# KiCad board VME_Backplane_3ActPas.kicad_pcb (continued)
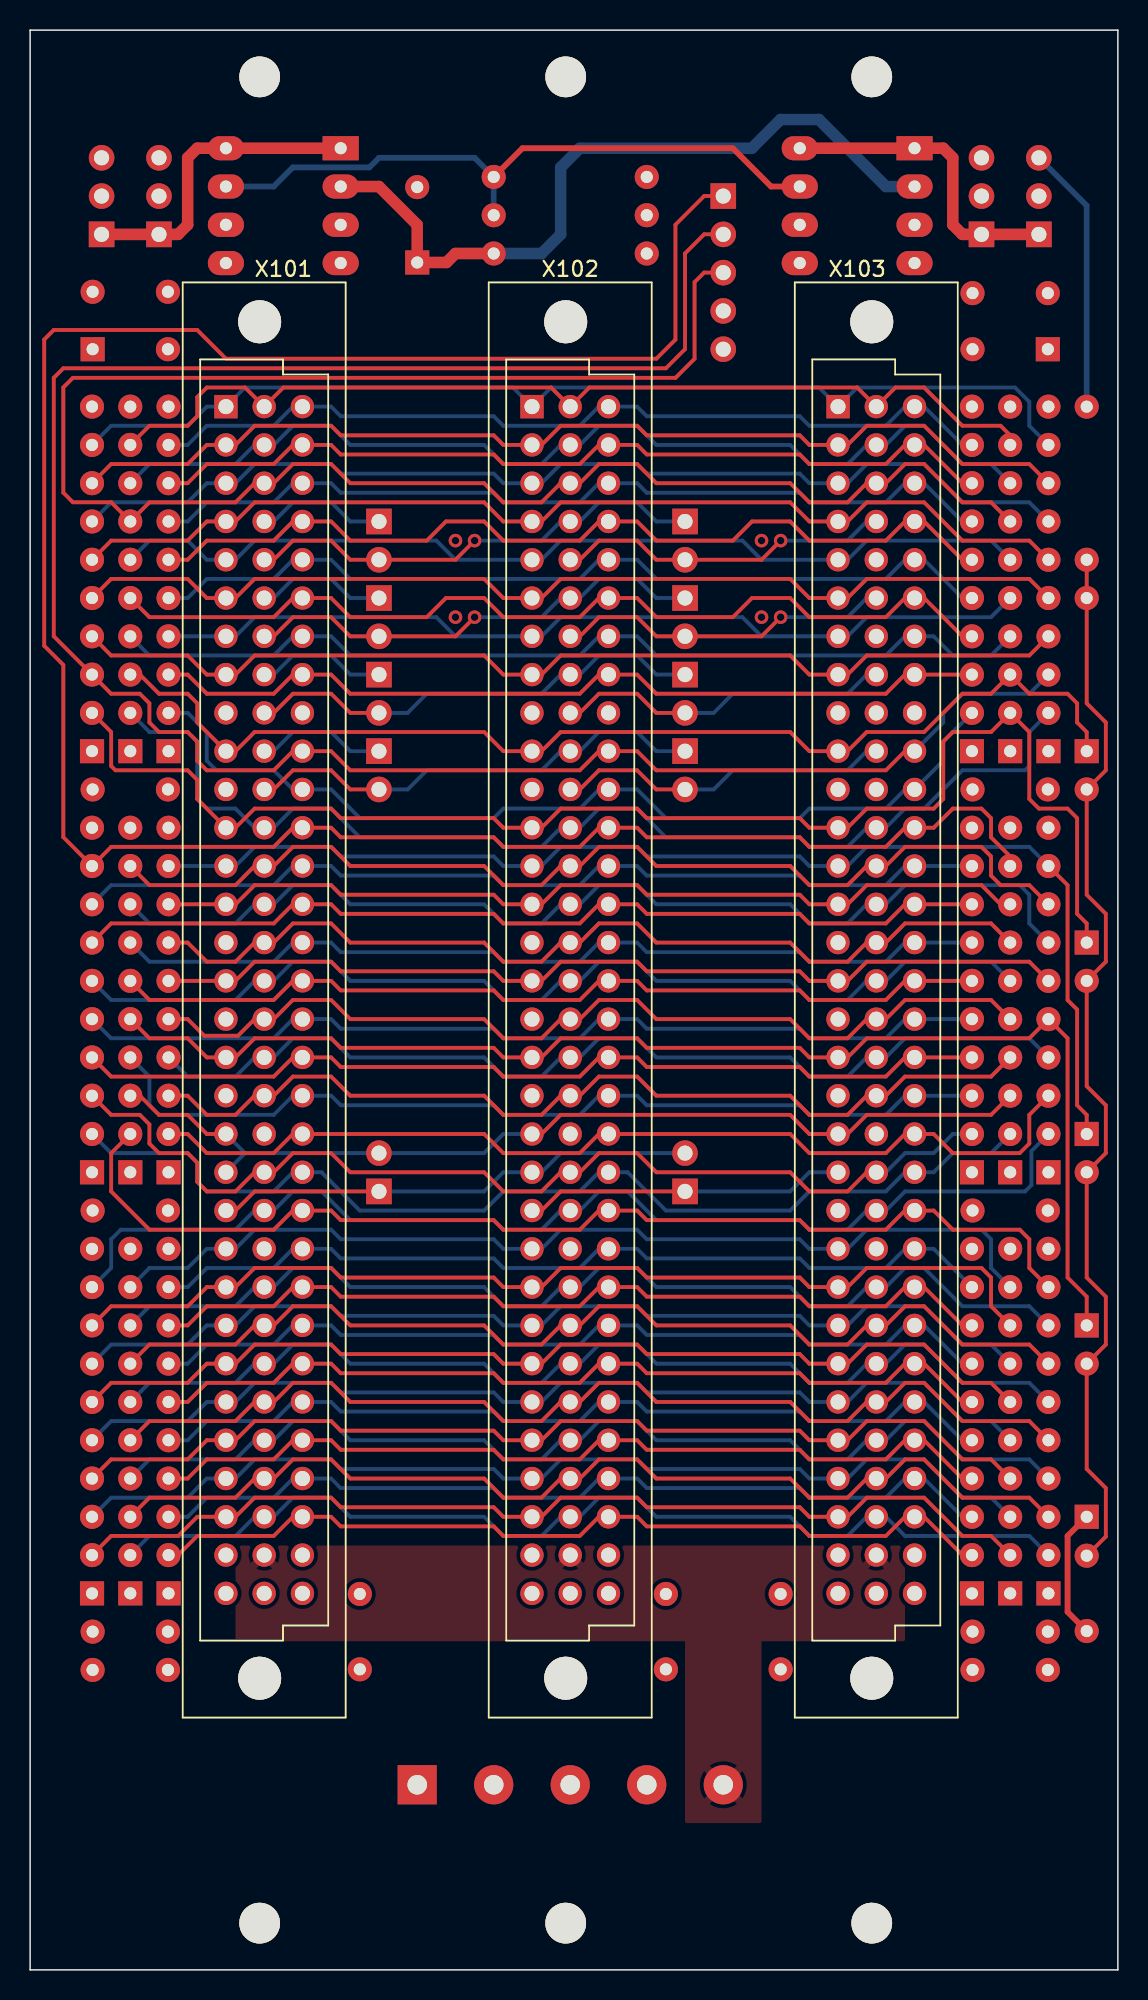
[diagram p0: board, top side]
## Routing (per net, layer and track width the routed paths; a pad name or vN(x,y) marks a point on that pad's centre or on a via; arc(x,y) is an arc through that point) (continued)
A11: length 57.5
  Bottom w0.254: R16.5 61.9,35.14 59.35,37.68 X103.c27 58.09,37.68 56.82,36.41 51.73,36.41 51.1,37.05 40.94,37.05 40.3,37.68 X102.c27 37.76,37.68 36.49,36.41 31.41,36.41 30.78,37.05 20.62,37.05 19.98,37.68 X101.c27 17.45,37.68 16.17,36.41 11.73,36.41 10.46,35.14 R9.5
A12: length 57.5
  Top w0.254: R9.6 10.46,37.68 11.73,38.95 16.17,38.95 17.45,40.22 X101.c26 19.98,40.22 20.62,39.59 30.78,39.59 31.41,38.95 36.49,38.95 37.76,40.22 X102.c26 40.3,40.22 40.94,39.59 51.1,39.59 51.73,38.95 56.82,38.95 58.09,40.22 X103.c26 59.35,40.22 61.9,37.68 R16.6
A13: length 57.5
  Bottom w0.254: R16.7 61.9,40.22 59.35,42.76 X103.c25 58.09,42.76 56.82,41.49 51.73,41.49 51.1,42.13 40.94,42.13 40.3,42.76 X102.c25 37.76,42.76 36.49,41.49 31.41,41.49 30.78,42.13 20.62,42.13 19.98,42.76 X101.c25 17.45,42.76 16.17,41.49 11.73,41.49 10.46,40.22 R9.7
A14: length 57.5
  Top w0.254: R16.8 61.9,42.76 59.35,45.3 X103.c24 58.09,45.3 56.82,44.03 51.73,44.03 51.1,44.67 40.94,44.67 40.3,45.3 X102.c24 37.76,45.3 36.49,44.03 31.41,44.03 30.78,44.67 20.62,44.67 19.98,45.3 X101.c24 17.45,45.3 16.17,44.03 11.73,44.03 10.46,42.76 R9.8
A15: length 57.5
  Bottom w0.254: R16.9 59.99,47.84 X103.c23 58.09,47.84 56.82,46.57 51.73,46.57 51.1,47.21 40.94,47.21 40.3,47.84 X102.c23 37.76,47.84 36.49,46.57 31.41,46.57 30.78,47.21 20.62,47.21 19.98,47.84 X101.c23 17.45,47.84 16.17,46.57 11.73,46.57 10.46,45.3 R9.9
A16: length 73.5
  Top w0.254: R18.9 66.34,46.57 66.34,48.48 65.71,49.11 61.26,49.11 59.99,50.38 X103.c22 58.09,50.38 56.82,49.11 51.73,49.11 51.1,49.75 40.94,49.75 40.3,50.38 X102.c22 37.76,50.38 36.49,49.11 31.41,49.11 30.78,49.75 20.62,49.75 19.98,50.38 X101.c22 17.45,50.38 16.17,49.11 7.92,49.11 5.38,51.65 5.38,54.19 R5.2
A17: length 69.1
  Bottom w0.254: R4.2 5.38,54.19 10.46,54.19 11.09,53.56 11.09,52.29 11.73,51.65 16.17,51.65 17.45,52.92 X101.c21 19.35,52.92 21.89,50.38 30.15,50.38 31.41,51.65 36.49,51.65 37.76,52.92 X102.c21 39.67,52.92 42.21,50.38 50.46,50.38 51.73,51.65 56.82,51.65 58.09,52.92 X103.c21 59.99,52.92 61.26,54.19 63.8,54.19 R14.2
A18: length 64.8
  Top w0.254: R15.3 66.34,56.73 66.34,54.83 65.71,54.19 61.26,54.19 59.99,55.46 X103.c20 58.09,55.46 56.82,54.19 51.73,54.19 50.46,55.46 X102.c20 37.76,55.46 36.49,54.19 31.41,54.19 30.15,55.46 X101.c20 17.45,55.46 16.17,54.19 11.73,54.19 10.46,55.46 R6.2
A19: length 61.2
  Bottom w0.254: R13.3 X103.c19 58.09,58 56.82,56.73 51.73,56.73 51.1,57.37 40.94,57.37 40.3,58 X102.c19 37.76,58 36.49,56.73 31.41,56.73 30.78,57.37 20.62,57.37 19.98,58 X101.c19 17.45,58 16.17,56.73 8.55,56.73 7.92,57.37 7.92,59.27 R5.4
A20: length 61.6
  Top w0.254: R4.4 5.38,59.27 16.17,59.27 17.45,60.54 X101.c18 19.98,60.54 20.62,59.91 30.78,59.91 31.41,59.27 36.49,59.27 37.76,60.54 X102.c18 40.3,60.54 40.94,59.91 51.1,59.91 51.73,59.27 56.82,59.27 58.09,60.54 X103.c18 R13.4
A21: length 61.6
  Bottom w0.254: R13.5 X103.c17 58.09,63.08 56.82,61.81 51.73,61.81 51.1,62.45 40.94,62.45 40.3,63.08 X102.c17 37.76,63.08 36.49,61.81 31.41,61.81 30.78,62.45 20.62,62.45 19.98,63.08 X101.c17 17.45,63.08 16.17,61.81 5.38,61.81 R4.5
A22: length 59
  Top w0.254: R13.6 X103.c16 58.09,65.62 56.82,64.35 51.73,64.35 51.1,64.99 40.94,64.99 40.3,65.62 X102.c16 37.76,65.62 36.49,64.35 31.41,64.35 30.78,64.99 20.62,64.99 19.98,65.62 X101.c16 17.45,65.62 16.17,64.35 7.92,64.35 R5.6
A23: length 59
  Bottom w0.254: R13.7 X103.c15 58.09,68.16 56.82,66.89 51.73,66.89 51.1,67.53 40.94,67.53 40.3,68.16 X102.c15 37.76,68.16 36.49,66.89 31.41,66.89 30.78,67.53 20.62,67.53 19.98,68.16 X101.c15 17.45,68.16 16.17,66.89 7.92,66.89 R5.7
AM: length 64.8
  Bottom w0.254: R8.9 7.92,46.57 10.46,46.57 11.73,47.84 X101.a23 13.63,47.84 14.91,49.11 19.98,49.11 20.62,48.48 30.78,48.48 31.41,47.84 X102.a23 33.96,47.84 35.23,49.11 40.3,49.11 40.94,48.48 51.1,48.48 51.73,47.84 X103.a23 54.27,47.84 55.54,49.11 63.16,49.11 63.8,48.48 63.8,46.57 R17.9
AM0: length 67.3
  Bottom w0.254: R4.6 5.38,64.35 13.63,64.35 14.91,65.62 X101.b16 16.17,65.62 17.45,66.89 19.98,66.89 21.26,65.62 30.15,65.62 31.41,64.35 33.96,64.35 35.23,65.62 X102.b16 36.49,65.62 37.76,66.89 40.3,66.89 41.57,65.62 50.46,65.62 51.73,64.35 54.27,64.35 55.54,65.62 X103.b16 56.82,65.62 58.09,66.89 63.8,66.89 R14.6
AM1: length 62.1
  Top w0.254: R6.5 10.46,63.08 11.56,61.98 13.8,61.98 14.91,63.08 X101.b17 16.17,63.08 17.45,64.35 19.98,64.35 21.26,63.08 30.15,63.08 31.41,61.81 33.96,61.81 35.23,63.08 X102.b17 36.49,63.08 37.76,64.35 40.3,64.35 41.57,63.08 50.46,63.08 51.73,61.81 54.27,61.81 55.54,63.08 X103.b17 56.82,63.08 58.09,64.35 63.8,64.35 R14.5
AM2: length 64.7
  Bottom w0.254: R6.4 10.46,59.27 13.63,59.27 14.91,60.54 X101.b18 16.17,60.54 17.45,61.81 19.98,61.81 21.26,60.54 30.15,60.54 31.41,59.27 33.96,59.27 35.23,60.54 X102.b18 36.49,60.54 37.76,61.81 40.3,61.81 41.57,60.54 50.46,60.54 51.73,59.27 54.27,59.27 55.54,60.54 X103.b18 56.82,60.54 58.09,61.81 66.34,61.81 R15.4
AM3: length 62.2
  Top w0.254: R14.4 63.8,59.27 58.09,59.27 56.82,58 X103.b19 55.54,58 54.27,56.73 51.73,56.73 50.46,58 41.57,58 40.3,59.27 37.76,59.27 36.49,58 X102.b19 35.23,58 33.96,56.73 31.41,56.73 30.15,58 21.26,58 19.98,59.27 17.45,59.27 16.17,58 X101.b19 14.91,58 13.63,56.73 11.73,56.73 10.46,58 R6.3
AM5: length 61.6
  Top w0.254: R4.7 5.38,69.43 16.17,69.43 17.45,70.7 X101.c14 19.98,70.7 20.62,70.07 30.78,70.07 31.41,69.43 36.49,69.43 37.76,70.7 X102.c14 40.3,70.7 40.94,70.07 51.1,70.07 51.73,69.43 56.82,69.43 58.09,70.7 X103.c14 R13.8
D0: length 69.7
  Bottom w0.254: R1.9 5.38,102.45 10.46,102.45 11.73,103.72 X101.a1 14.27,104.99 32.05,104.99 X102.a1 34.59,104.99 52.37,104.99 X103.a1 54.91,104.99 65.39,104.99 66.34,104.04 66.34,102.45 R12.9
D1: length 68.8
  Top w0.254: R12.8 66.34,99.91 61.9,99.91 59.35,102.45 55.54,102.45 54.27,101.18 X103.a2 51.73,101.18 51.1,101.82 40.94,101.82 40.3,102.45 35.23,102.45 33.96,101.18 X102.a2 31.41,101.18 30.78,101.82 20.62,101.82 19.98,102.45 14.91,102.45 13.63,101.18 X101.a2 11.73,101.18 10.46,99.91 5.38,99.91 R1.8
D2: length 68.8
  Bottom w0.254: R1.7 5.38,97.37 10.46,97.37 11.73,98.64 X101.a3 13.63,98.64 14.91,99.91 19.98,99.91 20.62,99.28 30.78,99.28 31.41,98.64 X102.a3 33.96,98.64 35.23,99.91 40.3,99.91 40.94,99.28 51.1,99.28 51.73,98.64 X103.a3 54.27,98.64 55.54,99.91 59.35,99.91 61.9,97.37 66.34,97.37 R12.7
D3: length 68.8
  Top w0.254: R1.6 5.38,94.83 10.46,94.83 11.73,96.1 X101.a4 13.63,96.1 14.91,97.37 30.15,97.37 31.41,96.1 X102.a4 33.96,96.1 35.23,97.37 50.46,97.37 51.73,96.1 X103.a4 54.27,96.1 55.54,97.37 59.35,97.37 61.9,94.83 66.34,94.83 R12.6
D4: length 62.6
  Bottom w0.254: R11.6 63.8,94.83 55.54,94.83 54.27,93.56 X103.a5 48.56,93.56 47.29,94.83 35.23,94.83 33.96,93.56 X102.a5 28.24,93.56 26.97,94.83 14.91,94.83 13.63,93.56 X101.a5 11.73,93.56 10.46,94.83 7.92,94.83 R2.6
D5: length 67.7
  Top w0.254: R1.5 5.38,92.29 10.46,92.29 11.73,91.02 X101.a6 13.63,91.02 14.91,92.29 30.15,92.29 31.41,91.02 X102.a6 33.96,91.02 35.23,92.29 50.46,92.29 51.73,91.02 X103.a6 54.27,91.02 55.54,92.29 66.34,92.29 R12.5
D6: length 59
  Bottom w0.254: R11.5 63.8,89.75 55.54,89.75 54.27,88.48 X103.a7 48.56,88.48 47.29,89.75 35.23,89.75 33.96,88.48 X102.a7 28.24,88.48 26.97,89.75 14.91,89.75 13.63,88.48 X101.a7 R3.4
D7: length 67.7
  Top w0.254: R12.4 66.34,87.21 55.54,87.21 54.27,85.94 X103.a8 51.73,85.94 50.46,87.21 35.23,87.21 33.96,85.94 X102.a8 31.41,85.94 30.15,87.21 14.91,87.21 13.63,85.94 X101.a8 11.73,85.94 10.46,87.21 5.38,87.21 R1.4
D8: length 56.9
  Bottom w0.254: R10.9 61.9,101.18 59.35,103.72 ; R3.9 10.46,101.18 11.73,102.45 16.17,102.45 17.45,103.72 X101.c1 19.98,103.72 20.62,103.09 30.78,103.09 31.41,102.45 36.49,102.45 37.76,103.72 X102.c1 40.3,103.72 40.94,103.09 51.1,103.09 51.73,102.45 56.82,102.45 58.09,103.72 X103.c1
D9: length 57.5
  Top w0.254: R10.8 61.9,98.64 59.35,101.18 X103.c2 58.09,101.18 56.82,99.91 51.73,99.91 51.1,100.55 40.94,100.55 40.3,101.18 X102.c2 37.76,101.18 36.49,99.91 31.41,99.91 30.78,100.55 20.62,100.55 19.98,101.18 X101.c2 17.45,101.18 16.17,99.91 11.73,99.91 10.46,98.64 R3.8
D10: length 57.5
  Bottom w0.254: R3.7 10.46,96.1 11.73,97.37 16.17,97.37 17.45,98.64 X101.c3 19.98,98.64 20.62,98.01 30.78,98.01 31.41,97.37 36.49,97.37 37.76,98.64 X102.c3 40.3,98.64 40.94,98.01 51.1,98.01 51.73,97.37 56.82,97.37 58.09,98.64 X103.c3 59.35,98.64 61.9,96.1 R10.7
D11: length 59.7
  Top w0.254: R10.6 61.9,93.56 59.35,96.1 X103.c4 58.09,96.1 56.82,94.83 51.73,94.83 50.46,96.1 47.93,96.1 46.65,94.83 41.57,94.83 40.3,96.1 X102.c4 37.76,96.1 36.49,94.83 31.41,94.83 30.15,96.1 27.6,96.1 26.34,94.83 21.26,94.83 19.98,96.1 X101.c4 17.45,96.1 16.17,94.83 11.73,94.83 10.46,93.56 R3.6
D12: length 57.5
  Bottom w0.254: R10.5 61.9,91.02 59.35,93.56 X103.c5 58.09,93.56 56.82,92.29 41.57,92.29 40.3,93.56 X102.c5 37.76,93.56 36.49,92.29 21.26,92.29 19.98,93.56 X101.c5 17.45,93.56 16.17,92.29 11.73,92.29 10.46,91.02 R3.5
D13: length 62.2
  Top w0.254: R10.4 61.9,88.48 59.35,91.02 X103.c6 58.09,91.02 56.82,89.75 51.73,89.75 50.46,91.02 47.93,91.02 46.65,89.75 41.57,89.75 40.3,91.02 X102.c6 37.76,91.02 36.49,89.75 31.41,89.75 30.15,91.02 27.6,91.02 26.34,89.75 21.26,89.75 19.98,91.02 X101.c6 17.45,91.02 16.17,89.75 7.92,89.75 R2.5
D14: length 62.6
  Bottom w0.254: R11.4 63.8,87.21 61.26,87.21 59.99,88.48 X103.c7 58.09,88.48 56.82,87.21 41.57,87.21 40.3,88.48 X102.c7 37.76,88.48 36.49,87.21 21.26,87.21 19.98,88.48 X101.c7 17.45,88.48 16.17,87.21 7.92,87.21 R2.4
D15: length 56.5
  Top w0.254: R10.3 X103.c8 58.09,85.94 56.82,84.67 41.57,84.67 40.3,85.94 X102.c8 37.76,85.94 36.49,84.67 21.26,84.67 19.98,85.94 X101.c8 17.45,85.94 16.17,84.67 11.73,84.67 10.46,85.94 R3.3
SERCLK: length 68.3
  Top w0.254: R4.3 5.38,56.73 7.28,56.73 7.92,56.1 7.92,54.83 8.55,54.19 10.46,54.19 11.09,53.56 11.09,52.29 11.73,51.65 13.63,51.65 14.91,52.92 X101.b21 16.17,52.92 17.45,54.19 19.98,54.19 21.26,52.92 30.15,52.92 31.41,51.65 33.96,51.65 35.23,52.92 X102.b21 36.49,52.92 37.76,54.19 40.3,54.19 41.57,52.92 50.46,52.92 51.73,51.65 54.27,51.65 55.54,52.92 X103.b21
  Bottom w0.254: R13.2 61.26,55.46 59.99,54.19 58.09,54.19 56.82,52.92 X103.b21
SYSCLK: length 74.1
  Top w0.254: D1.1 70.15,82.13 69.51,82.77 69.51,84.04 68.88,84.67 66.34,84.67 R11.3 63.8,84.67 61.9,84.67 59.35,82.13 55.54,82.13 54.27,80.86 X103.a10 51.73,80.86 50.46,82.13 35.23,82.13 33.96,80.86 X102.a10 31.41,80.86 30.15,82.13 14.91,82.13 13.63,80.86 X101.a10 11.09,82.77 11.09,84.04 10.46,84.67 8.55,84.67 7.28,85.94 R2.3
T_L: length 20.8
  Top w0.762: U1.1 U1.8 11.09,120.87 10.46,120.23 10.46,115.79 9.82,115.15 X2H1.1 X2L1.1
T_R: length 20.8
  Top w0.762: U2.8 U2.1 60.62,120.87 61.26,120.23 61.26,115.79 61.9,115.15 X3L1.1 X3H1.1
~{ACFAIL}: length 128
  Top w0.254: 6.65,96.11 5.38,97.38 2.84,97.38 2.2,98.01 2.2,105 2.84,105.63 42.85,105.63 44.12,106.9 44.12,111.98 44.75,112.62 46.02,112.62 ; R11.7 63.8,97.37 61.9,97.37 59.35,99.91 58.09,99.91 56.82,98.64 X103.b3 55.54,98.64 54.27,97.37 51.73,97.37 50.46,98.64 41.57,98.64 40.3,99.91 37.76,99.91 36.49,98.64 X102.b3 35.23,98.64 33.96,97.37 31.41,97.37 30.15,98.64 21.26,98.64 19.98,99.91 17.45,99.91 16.17,98.64 X101.b3 14.91,98.64 13.63,97.37 7.92,97.37 R2.7
~{AS}: length 86.5
  Top w0.254: R5.5 7.92,61.81 10.46,61.81 11.73,60.54 X101.a18 13.63,60.54 14.91,61.81 19.98,61.81 20.62,61.18 30.78,61.18 31.41,60.54 X102.a18 33.96,60.54 35.23,61.81 40.3,61.81 40.94,61.18 51.1,61.18 51.73,60.54 X103.a18 54.27,60.54 55.54,61.81 66.34,61.81 R15.5 68.88,61.81 68.88,45.94 70.15,44.67 D4.1
~{BBSY}: length 65.8
  Top w0.254: R11.9 65.07,101.82 64.44,102.45 61.9,102.45 59.35,104.99 57.45,104.99 X103.b1 54.91,104.99 37.13,104.99 X102.b1 34.59,104.99 16.81,104.99 X101.b1 14.27,104.99 11.73,104.99 11.09,104.36 11.09,103.09 10.46,102.45 7.92,102.45 R2.9
~{BCLR}: length 65.8
  Bottom w0.254: R11.8 63.8,99.91 61.9,99.91 59.35,102.45 58.09,102.45 56.82,101.18 X103.b2 55.54,101.18 54.27,99.91 51.73,99.91 50.46,101.18 41.57,101.18 40.3,102.45 37.76,102.45 36.49,101.18 X102.b2 35.23,101.18 33.96,99.91 31.41,99.91 30.15,101.18 21.26,101.18 19.98,102.45 17.45,102.45 16.17,101.18 X101.b2 14.91,101.18 13.63,99.91 7.92,99.91 R2.8
~{BERR}: length 62.6
  Bottom w0.254: R10.2 60.62,81.5 60.62,80.23 X103.c11 58.09,78.32 56.82,77.05 51.73,77.05 51.1,76.42 42.21,76.42 40.3,78.32 X102.c11 37.76,78.32 36.49,77.05 31.41,77.05 30.78,76.42 21.89,76.42 19.98,78.32 X101.c11 17.45,78.32 16.17,79.59 12.37,79.59 11.73,80.23 11.73,82.13 10.46,83.4 R3.2
~{BG0OUT_1}: length 31.1
  Top w0.254: v1(29.51,94.83) 28.24,93.56 X401A1.2 21.26,93.56 19.98,94.83 17.45,94.83 16.17,93.56 X101.b5
  Bottom w0.254: X402A1.1 41.57,96.1 40.3,97.37 37.76,97.37 36.49,96.1 X102.b4 35.23,96.1 33.96,94.83 v1(29.51,94.83)
~{BG0OUT_2}: length 22.4
  Top w0.254: X102.b5 36.49,93.56 37.76,94.83 40.3,94.83 41.57,93.56 X402A1.2 48.56,93.56 v1(49.83,94.83)
  Bottom w0.254: v1(49.83,94.83) 54.27,94.83 55.54,96.1 X103.b4
~{BG1OUT_1}: length 31.1
  Top w0.254: X101.b7 16.17,88.48 17.45,89.75 19.98,89.75 21.26,88.48 X401B1.2 28.24,88.48 v1(29.51,89.75)
  Bottom w0.254: X402B1.1 41.57,91.02 40.3,92.29 37.76,92.29 36.49,91.02 X102.b6 35.23,91.02 33.96,89.75 v1(29.51,89.75)
~{BG1OUT_2}: length 22.4
  Top w0.254: v1(49.83,89.75) 48.56,88.48 X402B1.2 41.57,88.48 40.3,89.75 37.76,89.75 36.49,88.48 X102.b7
  Bottom w0.254: X103.b6 55.54,91.02 54.27,89.75 v1(49.83,89.75)
~{BG2OUT_1}: length 31.1
  Top w0.254: X101.b9 16.17,83.4 17.45,84.67 19.98,84.67 21.26,83.4 X401C1.2
  Bottom w0.254: X402C1.1 41.57,85.94 40.3,87.21 37.76,87.21 36.49,85.94 X102.b8 35.23,85.94 33.96,84.67 26.34,84.67 25.06,83.4 X401C1.2
~{BG2OUT_2}: length 22.4
  Top w0.254: X102.b9 36.49,83.4 37.76,84.67 40.3,84.67 41.57,83.4 X402C1.2
  Bottom w0.254: X103.b8 55.54,85.94 54.27,84.67 46.65,84.67 45.38,83.4 X402C1.2
~{BG3OUT_1}: length 31.1
  Top w0.254: X401D1.2 21.26,78.32 19.98,79.59 17.45,79.59 16.17,78.32 X101.b11
  Bottom w0.254: X402D1.1 41.57,80.86 40.3,82.13 37.76,82.13 36.49,80.86 X102.b10 35.23,80.86 33.96,79.59 26.34,79.59 25.06,78.32 X401D1.2
~{BG3OUT_2}: length 22.4
  Top w0.254: X402D1.2 41.57,78.32 40.3,79.59 37.76,79.59 36.49,78.32 X102.b11
  Bottom w0.254: X103.b10 55.54,80.86 54.27,79.59 46.65,79.59 45.38,78.32 X402D1.2
~{BR0}: length 75
  Bottom w0.254: R12.2 66.34,82.13 66.34,79.88 66.05,79.59 61.9,79.59 59.35,77.05 58.09,77.05 56.82,75.78 X103.b12 55.54,75.78 54.27,74.51 51.73,74.51 51.1,75.15 42.21,75.15 40.3,77.05 37.76,77.05 36.49,75.78 X102.b12 35.23,75.78 33.96,74.51 31.41,74.51 30.78,75.15 21.89,75.15 19.98,77.05 17.45,77.05 16.17,75.78 X101.b12 14.91,75.78 13.63,77.05 11.73,77.05 11.09,77.69 11.09,81.5 10.46,82.13 7.92,82.13 R2.2
~{BR1}: length 69.1
  Top w0.254: R15.8 66.34,71.97 64.44,71.97 63.8,72.61 63.8,73.88 63.16,74.51 58.09,74.51 56.82,73.24 X103.b13 55.54,73.24 54.27,71.97 51.73,71.97 50.46,73.24 41.57,73.24 40.3,74.51 37.76,74.51 36.49,73.24 X102.b13 35.23,73.24 33.96,71.97 31.41,71.97 30.15,73.24 21.26,73.24 19.98,74.51 17.45,74.51 16.17,73.24 X101.b13 14.91,73.24 13.63,71.97 7.92,71.97 R5.9
~{BR2}: length 69.4
  Bottom w0.254: R15.7 66.34,69.43 66.34,71.34 65.71,71.97 58.09,71.97 56.82,70.7 X103.b14 55.54,70.7 54.27,69.43 51.73,69.43 50.46,70.7 41.57,70.7 40.3,71.97 37.76,71.97 36.49,70.7 X102.b14 35.23,70.7 33.96,69.43 31.41,69.43 30.15,70.7 21.26,70.7 19.98,71.97 17.45,71.97 16.17,70.7 X101.b14 14.91,70.7 13.63,69.43 7.92,69.43 R5.8
~{BR3}: length 62.2
  Top w0.254: R6.7 10.46,68.16 11.73,66.89 13.63,66.89 14.91,68.16 X101.b15 16.17,68.16 17.45,69.43 19.98,69.43 21.26,68.16 30.15,68.16 31.41,66.89 33.96,66.89 35.23,68.16 X102.b15 36.49,68.16 37.76,69.43 40.3,69.43 41.57,68.16 50.46,68.16 51.73,66.89 54.27,66.89 55.54,68.16 X103.b15 56.82,68.16 58.09,69.43 63.8,69.43 R14.7
~{DS0}: length 80.4
  Top w0.254: R15.9 68.88,71.97 68.88,64.35 69.51,63.72 69.51,57.37 70.15,56.73 D3.1
  Bottom w0.254: R15.9 66.34,74.51 55.54,74.51 54.27,73.24 X103.a13 51.73,73.24 51.1,73.88 40.94,73.88 40.3,74.51 35.23,74.51 33.96,73.24 X102.a13 31.41,73.24 30.78,73.88 20.62,73.88 19.98,74.51 14.91,74.51 13.63,73.24 X101.a13 R6.9
~{DS1}: length 92.1
  Top w0.254: R1.2 5.38,82.13 5.38,79.88 5.67,79.59 10.46,79.59 11.09,78.96 11.09,77.69 X101.a12 13.63,75.78 14.91,77.05 19.98,77.05 20.62,76.42 30.78,76.42 31.41,75.78 X102.a12 33.96,75.78 35.23,77.05 40.3,77.05 40.94,76.42 51.1,76.42 51.73,75.78 X103.a12 54.27,75.78 55.54,77.05 59.99,77.05 60.62,77.69 60.62,81.5 61.26,82.13 63.8,82.13 R11.2 66.34,82.13 66.34,77.69 66.97,77.05 68.88,77.05 69.51,76.42 69.51,70.07 70.15,69.43 D2.1
~{DTACK}: length 61.6
  Top w0.254: R15.6 66.34,66.89 55.54,66.89 54.27,65.62 X103.a16 51.73,65.62 51.1,66.26 40.94,66.26 40.3,66.89 35.23,66.89 33.96,65.62 X102.a16 31.41,65.62 30.78,66.26 20.62,66.26 19.98,66.89 14.91,66.89 13.63,65.62 X101.a16 R6.6
~{IACKOUT_1}: length 32.1
  Top w0.254: X101.a22 13.63,50.38 14.91,51.65 X501.1
  Bottom w0.254: X502.2 35.23,54.19 33.96,52.92 X102.a21 31.41,52.92 30.15,51.65 X501.1
~{IACKOUT_2}: length 21.4
  Top w0.254: X502.1 35.23,51.65 33.96,50.38 X102.a22
  Bottom w0.254: X103.a21 51.73,52.92 50.46,51.65 X502.1
~{IACK}: length 64.4
  Top w0.254: R14.3 63.8,56.73 55.54,56.73 54.27,55.46 X103.a20 51.73,55.46 50.46,56.73 35.23,56.73 33.96,55.46 X102.a20 ; X101.a20 11.73,55.46 10.46,56.73 8.55,56.73 7.28,58 R5.3
  Bottom w0.254: X101.a21 14.27,54.19 ; 14.27,54.19 X101.a20 ; 14.27,54.19 X501.2 30.15,54.19 31.41,55.46 X102.a20
~{IRQ1}: length 67.3
  Bottom w0.254: R18.2 66.34,28.79 58.09,28.79 56.82,30.06 X103.b30 55.54,30.06 54.27,28.79 51.73,28.79 50.46,30.06 41.57,30.06 40.3,31.33 37.76,31.33 36.49,30.06 X102.b30 35.23,30.06 33.96,28.79 31.41,28.79 30.15,30.06 21.26,30.06 19.98,31.33 17.45,31.33 16.17,30.06 X101.b30 14.91,30.06 13.63,28.79 7.92,28.79 R8.2
~{IRQ2}: length 68.3
  Top w0.254: R8.3 7.92,31.33 13.63,31.33 14.91,32.6 X101.b29 16.17,32.6 17.45,33.87 19.98,33.87 21.26,32.6 30.15,32.6 31.41,31.33 33.96,31.33 35.23,32.6 X102.b29 36.49,32.6 37.76,33.87 40.3,33.87 41.57,32.6 50.46,32.6 51.73,31.33 54.27,31.33 55.54,32.6 X103.b29 56.82,32.6 58.09,33.87 59.35,33.87 61.9,31.33 66.34,31.33 R18.3
~{IRQ3}: length 68.3
  Bottom w0.254: R8.4 7.92,33.87 13.63,33.87 14.91,35.14 X101.b28 16.17,35.14 17.45,36.41 19.98,36.41 21.26,35.14 30.15,35.14 31.41,33.87 33.96,33.87 35.23,35.14 X102.b28 36.49,35.14 37.76,36.41 40.3,36.41 41.57,35.14 50.46,35.14 51.73,33.87 54.27,33.87 55.54,35.14 X103.b28 56.82,35.14 58.09,36.41 59.35,36.41 61.9,33.87 66.34,33.87 R18.4
~{IRQ4}: length 68.3
  Top w0.254: R8.5 7.92,36.41 13.63,36.41 14.91,37.68 X101.b27 16.17,37.68 17.45,38.95 19.98,38.95 21.26,37.68 30.15,37.68 31.41,36.41 33.96,36.41 35.23,37.68 X102.b27 36.49,37.68 37.76,38.95 40.3,38.95 41.57,37.68 50.46,37.68 51.73,36.41 54.27,36.41 55.54,37.68 X103.b27 56.82,37.68 58.09,38.95 59.35,38.95 61.9,36.41 66.34,36.41 R18.5
~{IRQ5}: length 68.3
  Bottom w0.254: R8.6 7.92,38.95 13.63,38.95 14.91,40.22 X101.b26 16.17,40.22 17.45,41.49 19.98,41.49 21.26,40.22 30.15,40.22 31.41,38.95 33.96,38.95 35.23,40.22 X102.b26 36.49,40.22 37.76,41.49 40.3,41.49 41.57,40.22 50.46,40.22 51.73,38.95 54.27,38.95 55.54,40.22 X103.b26 56.82,40.22 58.09,41.49 59.35,41.49 61.9,38.95 66.34,38.95 R18.6
~{IRQ6}: length 68.3
  Top w0.254: R18.7 66.34,41.49 61.9,41.49 59.35,44.03 58.09,44.03 56.82,42.76 X103.b25 55.54,42.76 54.27,41.49 51.73,41.49 50.46,42.76 41.57,42.76 40.3,44.03 37.76,44.03 36.49,42.76 X102.b25 35.23,42.76 33.96,41.49 31.41,41.49 30.15,42.76 21.26,42.76 19.98,44.03 17.45,44.03 16.17,42.76 X101.b25 14.91,42.76 13.63,41.49 7.92,41.49 R8.7
~{IRQ7}: length 68.3
  Bottom w0.254: R18.8 66.34,44.03 61.9,44.03 59.35,46.57 58.09,46.57 56.82,45.3 X103.b24 55.54,45.3 54.27,44.03 51.73,44.03 50.46,45.3 41.57,45.3 40.3,46.57 37.76,46.57 36.49,45.3 X102.b24 35.23,45.3 33.96,44.03 31.41,44.03 30.15,45.3 21.26,45.3 19.98,46.57 17.45,46.57 16.17,45.3 X101.b24 14.91,45.3 13.63,44.03 7.92,44.03 R8.8
~{LWORD}: length 61.6
  Bottom w0.254: R4.8 5.38,71.97 16.17,71.97 17.45,73.24 X101.c13 19.98,73.24 20.62,72.61 30.78,72.61 31.41,71.97 36.49,71.97 37.76,73.24 X102.c13 40.3,73.24 40.94,72.61 51.1,72.61 51.73,71.97 56.82,71.97 58.09,73.24 X103.c13 R13.9
~{SERDAT}: length 74.4
  Bottom w0.254: R7.9 5.38,46.57 5.38,48.48 6.02,49.11 13.63,49.11 14.91,50.38 X101.b22 16.17,50.38 17.45,51.65 19.35,51.65 21.26,49.75 30.78,49.75 31.41,49.11 33.96,49.11 35.23,50.38 X102.b22 36.49,50.38 37.76,51.65 39.67,51.65 41.57,49.75 51.1,49.75 51.73,49.11 54.27,49.11 55.54,50.38 X103.b22 56.82,50.38 58.09,51.65 66.05,51.65 66.48,52.08 66.48,54.33 R15.2
~{SYSFAIL}: length 145.6
  Top w0.254: 46.02,115.16 44.75,115.16 43.48,113.89 43.48,107.53 42.21,106.27 2.2,106.27 1.57,105.63 1.57,88.49 4.11,85.95 ; X103.c10 58.09,80.86 56.82,79.59 41.57,79.59 40.3,80.86 X102.c10 37.76,80.86 36.49,79.59 21.26,79.59 19.98,80.86 X101.c10 17.45,80.86 16.17,79.59 11.73,79.59 11.09,80.23 11.09,81.5 10.46,82.13 8.55,82.13 7.92,82.77 7.92,84.04 7.28,84.67 5.38,84.67 R1.3
  Bottom w0.254: X103.c10 60.62,82.77 60.62,83.4 61.9,84.67 66.34,84.67 R12.3
~{SYSRESET}: length 158.7
  Top w0.254: R4.9 5.38,74.51 16.17,74.51 17.45,75.78 X101.c12 19.98,75.78 20.62,75.15 30.78,75.15 31.41,74.51 36.49,74.51 37.76,75.78 X102.c12 40.3,75.78 40.94,75.15 51.1,75.15 51.73,74.51 56.82,74.51 58.09,75.78 X103.c12 59.99,75.78 61.26,77.05 63.16,77.05 63.8,76.42 63.8,75.15 65.07,73.88 R14.9 ; 4.11,73.25 2.2,75.15 2.2,86.58 0.94,87.85 0.94,108.17 1.57,108.81 11.09,108.81 13,106.9 41.58,106.9 42.85,108.17 42.85,115.79 44.75,117.7 46.02,117.7
~{WRITE}: length 59
  Top w0.254: R6.8 X101.a14 13.63,70.7 14.91,71.97 19.98,71.97 20.62,71.34 30.78,71.34 31.41,70.7 X102.a14 33.96,70.7 35.23,71.97 40.3,71.97 40.94,71.34 51.1,71.34 51.73,70.7 X103.a14 54.27,70.7 55.54,71.97 63.16,71.97 64.44,70.7 R14.8
Net-(C9-Pad1): length 71.3
  Top w0.254: C9.1 71.42,28.75 71.42,31.97 70.15,33.24 D5.2 71.42,41.49 71.42,44.67 70.15,45.94 D4.2 71.42,54.19 71.42,57.37 70.15,58.64 D3.2 71.42,66.89 71.42,70.07 70.15,71.34 D2.2 71.42,79.59 71.42,82.77 70.15,84.04 D1.2 R105.2
Net-(C14-Pad1): length 50
  Top w0.762: R106.1 28.24,113.88 27.64,113.29 C14.1 25.7,115.79 23.16,118.33 U1.2
  Bottom w0.762: R106.1 33.96,113.88 35.23,115.15 35.23,119.6 36.49,120.87 47.93,120.87 49.83,122.77 52.37,122.77 56.82,118.33 U2.2
Net-(R101-Pad2): length 43.8
  Top w0.381: U2.7 49.2,118.33 46.65,120.87 32.68,120.87 R102.1
  Bottom w0.381: U1.7 16.17,118.33 17.45,119.6 22.52,119.6 23.16,120.23 29.51,120.23 R102.1 R101.2
Net-(X101-Padb4): length 8.7
  Bottom w0.254: X401A1.1 21.26,96.1 19.98,97.37 17.45,97.37 16.17,96.1 X101.b4
Net-(X101-Padb6): length 8.7
  Bottom w0.254: X101.b6 16.17,91.02 17.45,92.29 19.98,92.29 21.26,91.02 X401B1.1
Net-(X101-Padb8): length 8.7
  Bottom w0.254: X101.b8 16.17,85.94 17.45,87.21 19.98,87.21 21.26,85.94 X401C1.1
Net-(X101-Padb10): length 8.7
  Bottom w0.254: X101.b10 16.17,80.86 17.45,82.13 19.98,82.13 21.26,80.86 X401D1.1

## Copper pours and planes (outline as drawn; the poured copper is in the pictures)
+5V on Bottom: 60.62,21.81 33.32,21.81 33.32,9.74 28.24,9.74 28.24,20.53 0.3,20.53 0.3,121.5 73.96,121.5 73.96,111.34 47.93,111.34 47.93,108.8 44.12,108.8 44.12,111.34 2.2,111.34 2.2,24.34 11.09,24.34 11.09,26.25 60.62,26.25
+12V on In2.Cu: 60.62,21.81 43.48,21.81 43.48,9.74 38.4,9.74 38.4,21.81 16.17,21.81 16.17,28.79 19.98,28.79 19.98,28.16 36.49,28.16 36.49,28.79 40.3,28.79 40.3,28.16 56.82,28.16 56.82,28.79 60.62,28.79
-12V on In1.Cu: 55.54,21.81 28.24,21.81 28.24,9.74 23.16,9.74 23.16,21.81 11.09,21.81 11.09,28.16 55.54,28.16
GND on In1.Cu: 76.5,-2.96 -2.24,-2.96 -2.24,131.66 76.5,131.66
GND on In2.Cu: 76.5,-5.5 -4.78,-5.5 -4.78,134.2 76.5,134.2
+BATT on Top: 58.09,21.81 48.56,21.81 48.56,9.74 43.48,9.74 43.48,21.81 13.63,21.81 13.63,28.16 58.09,28.16
/Termination Resistors/HI_L on In1.Cu: 10.46,113.25 6.65,113.25 6.65,105.62 10.46,105.62 10.46,102.45 2.84,102.45 2.84,79.59 5.38,79.59 5.38,77.69 10.46,77.69 10.46,74.51 2.84,74.51 2.84,51.65 5.38,51.65 5.38,49.75 10.46,49.75 10.46,46.57 2.84,46.57 2.84,23.71 5.38,23.71 5.38,18.63 0.94,18.63 0.94,118.96 10.46,118.96
/Termination Resistors/HI_R on In1.Cu: 73.96,18.63 66.34,18.63 66.34,23.71 68.25,23.71 68.25,46.57 61.26,46.57 61.26,49.75 66.34,49.75 66.34,51.65 68.25,51.65 68.25,74.51 61.26,74.51 61.26,77.69 66.34,77.69 66.34,79.59 68.25,79.59 68.25,102.45 61.26,102.45 61.26,105.62 65.07,105.62 65.07,118.96 73.96,118.96
/Termination Resistors/LO_L on In2.Cu: 6.65,113.25 2.84,113.25 2.84,82.13 10.46,82.13 10.46,78.96 2.84,78.96 2.84,54.19 10.46,54.19 10.46,51.02 2.84,51.02 2.84,26.25 10.46,26.25 10.46,23.08 0.94,23.08 0.94,118.96 6.65,118.96
/Termination Resistors/LO_R on In2.Cu: 73.96,23.08 61.26,23.08 61.26,26.25 68.25,26.25 68.25,51.02 61.26,51.02 61.26,54.19 68.25,54.19 68.25,78.96 61.26,78.96 61.26,82.13 68.25,82.13 68.25,105.62 68.88,105.62 68.88,113.25 61.26,113.25 61.26,118.96 73.96,118.96

## Text on the board
B.Silkscreen: ~{RES} | ~{FAIL} | ~{SYS} | ~{AC} | P | A | X2 | BG | IACK | 0 | 1 | 2 | 3 | X3 | IN | OUT | +5V | GND | 3 SLOT J1 VMEBUS BACKPLANE | TOM STOREY JAN 2024 REV 1 | X401 | X402 | +5V STBY | -12V | +12V
